# KiCad board ZX Max 128 Issue 3A PCB.kicad_pcb (continued)
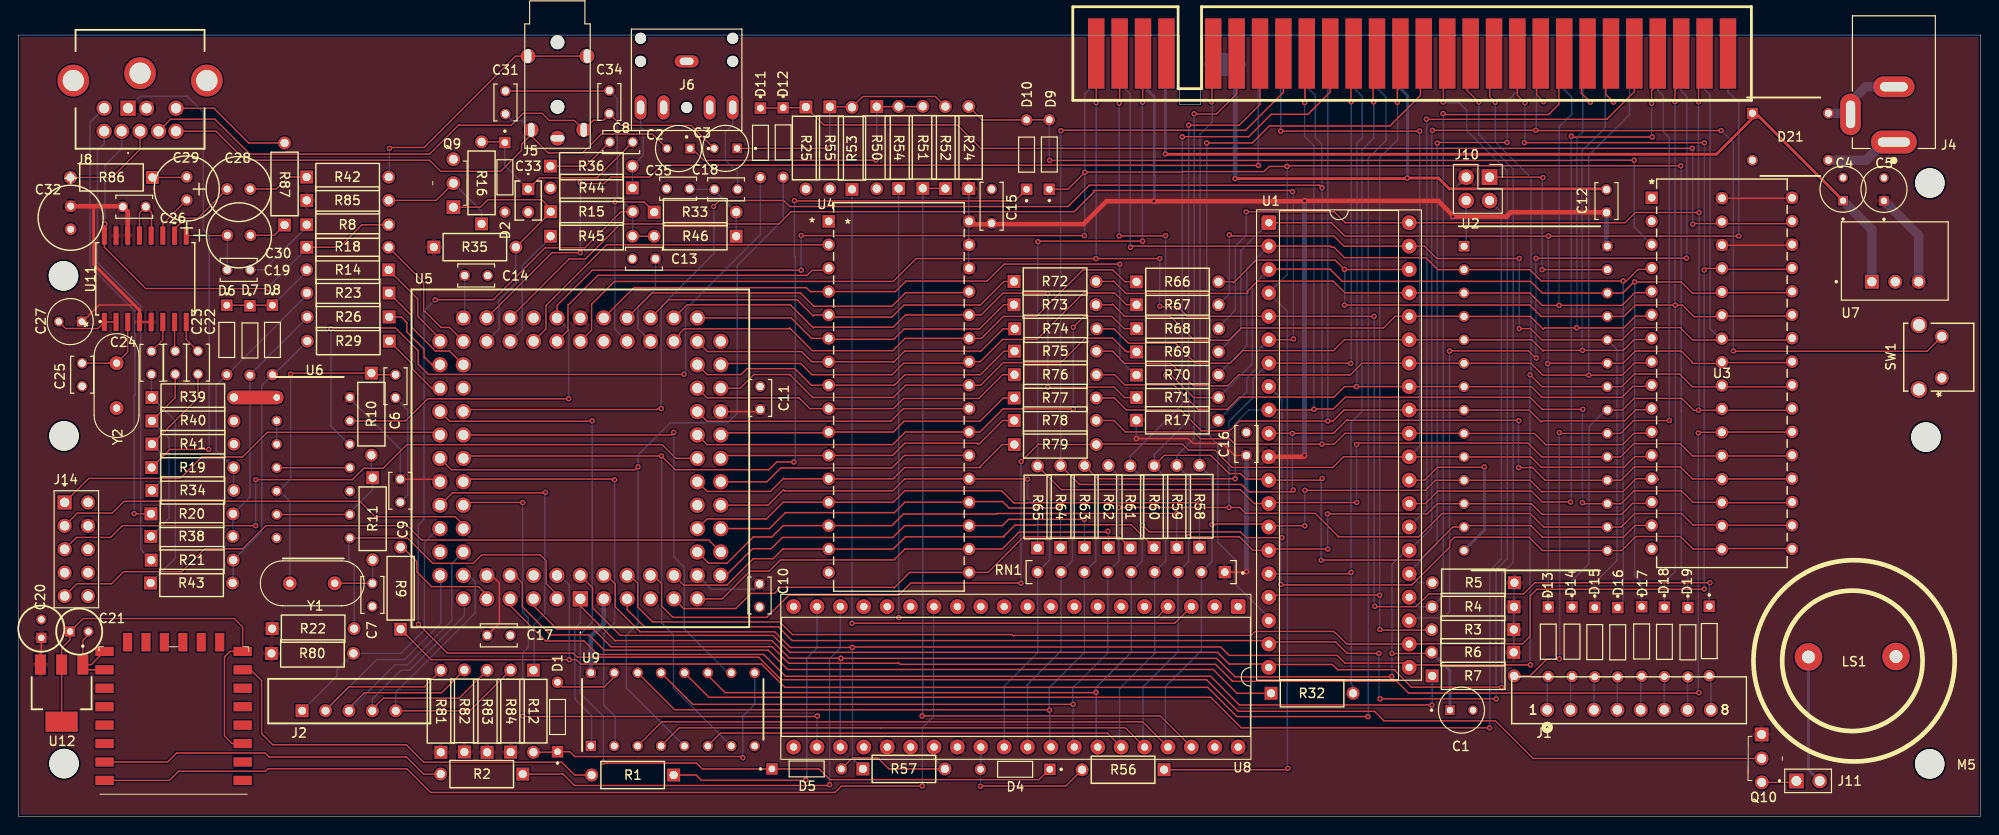
[diagram p0: board, top side]
## Routing (per net, layer and track width the routed paths; a pad name or vN(x,y) marks a point on that pad's centre or on a via; arc(x,y) is an arc through that point) (continued)
IN4: length 110.6
  Top w0.15: v1(98.13,3.32) 98.12,3.31 89.35,3.31 88.66,2.62 44.74,2.62 42.17,5.19 27.09,5.19 26.82,4.92 17.39,4.92 16.39,3.92 U15.22
  Bottom w0.15: U8.14 99.34,22.74 99.34,10.88 98.13,9.67 v1(98.13,3.32)
INT: length 79.8
  Top w0.15: v1(147.12,77.55) 147.06,77.61 147.06,78.98 147.48,79.4 J3.B13 ; U1.16 144.52,26.34 v1(144.68,26.5)
  Bottom w0.15: R32.2 144.88,14.18 144.68,14.38 v1(144.68,26.5) 144.66,26.52 144.66,42.69 144.67,42.7 144.67,42.77 145.89,43.99 145.85,44.03 145.85,72.4 145.89,72.4 147.16,73.67 147.12,73.71 v1(147.12,77.55)
INTx: length 89.4
  Top w0.15: U5.80 53.87,26.17 54.7,25.34 54.7,22.77 57.75,19.72 61.93,19.72 63.59,18.06 81.39,18.06 83.49,15.96 129.7,15.96 132.28,13.38 R32.1
IOREQ: length 12.6
  Top w0.15: R9.2 41.68,29.23 43.25,27.66 43.25,26.55 44.85,24.95 49.95,24.95 50.84,24.06 U5.77
IORQ: length 178.3
  Top w0.15: J3.B17 157.19,82.35 157.19,78.87 v1(158.53,77.53) ; U5.2 62.33,24.84 62.33,22.67 65.34,19.66 81.92,19.66 83.76,17.82 130.16,17.82 131.43,16.55 135.37,16.55 U1.20 136.05,16.5 142.65,16.5 143.21,15.94 149.44,15.94 149.44,15.83 151.23,14.04 160.95,14.04 v1(160.99,14)
  Bottom w0.15: v1(158.53,77.53) 158.53,74 162.26,70.27 162.26,27.6 161.14,26.48 161.02,26.48 161.02,14.03 v1(160.99,14)
IORQULA: length 192
  Top w0.15: v1(146.5,10.85) 132.27,10.85 129.1,14.02 83.2,14.02 80.67,16.55 61.01,16.55 60.54,17.02 v1(59.8,17.02) 44.8,17.02 R9.1
  Bottom w0.15: U5.84 58.75,26.17 59.8,25.12 v1(59.8,17.02) ; J3.A13 147.48,79.07 148.46,78.09 148.46,73.38 146.54,71.46 146.54,10.89 v1(146.5,10.85)
KB0: length 29.1
  Bottom w0.15: J2.1 34.58,15.26 34.58,15.92 R80.2 41.52,17.71 44.07,20.26 44.07,29.72 45.6,31.25 U5.70
KB1: length 36.1
  Top w0.15: R81.2 44.14,14.16 44.14,14.08 35.86,14.08 33.34,11.56 J2.2
  Bottom w0.15: U5.74 45.85,26.08 45.85,20.97 41.92,17.04 38.9,17.04 J2.2
KB2: length 37.7
  Top w0.15: J2.3 35.88,11.77 37.55,13.44 45.93,13.44 R82.2
  Bottom w0.15: U5.73 47.05,27.46 47.05,21.28 42.25,16.48 40.88,16.48 J2.3
KB3: length 31.3
  Top w0.15: J2.4 38.42,11.65 39.62,12.85 47.86,12.85 R83.2
  Bottom w0.15: U5.75 48.41,23.52 48.41,21.81 42.48,15.88 41.54,15.88 38.42,12.76 J2.4
KB4: length 33.4
  Top w0.15: R84.2 49.02,11.48 J2.5
  Bottom w0.15: J2.5 40.96,13.48 49.59,22.11 49.59,25.45 48.87,26.17 U5.76
Luma: length 10.8
  Top w0.15: J8.5 13.21,72.41 10.15,69.35 R86.2
M1: length 73
  Top w0.15: J3.B24 175.42,78.66 172.42,75.66 152.86,75.66 v1(152.84,75.68)
  Bottom w0.15: U1.27 152.88,33.33 152.88,75.64 v1(152.84,75.68)
MIC: length 20.4
  Top w0.15: R33.1 67.92,66.69 v1(64.75,66.69)
  Bottom w0.15: U5.40 64.75,52.9 v1(64.75,66.69)
MIDI: length 46
  Top w0.15: R1.2 60.37,4.51 58.98,5.9 43.99,5.9 42.1,7.79 27.61,7.79 26.4,9 26.4,14.75 25.23,15.92 U15.7
MREQ: length 176.1
  Top w0.15: U5.5 66.08,22.46 67.95,20.59 82.49,20.59 83.98,19.1 135.36,19.1 U1.19 135.96,18.95 142.99,18.95 144.23,17.71 v1(147.69,17.71) ; 155.6,81.53 154.68,80.61 v1(154.68,77.53) ; v1(160.43,12.76) 160.41,12.78 v1(147.81,12.78)
  Bottom w0.15: v1(160.43,12.76) 160.4,12.79 160.4,26.76 161.62,27.98 161.62,70.05 157.24,74.43 157.21,74.43 157.21,76.65 156.4,77.46 154.93,77.46 154.86,77.53 v1(154.68,77.53) ; v1(147.69,17.71) 147.69,12.9 v1(147.81,12.78)
nA14: length 79.6
  Top w0.15: v1(33.91,52.95) 33.98,53.02 40.92,53.02 43.4,50.54 43.4,49.07 44.49,47.98 72.23,47.98 v1(72.25,48)
  Bottom w0.15: v1(33.91,52.95) 33.94,52.92 33.94,42.34 35.88,40.4 U6.12 ; D11.A 80.55,63.17 72.42,55.04 72.42,48.17 v1(72.25,48)
NMI: length 81.3
  Top w0.15: v1(147.77,24.02) 147.75,24.04 135.97,24.04 U1.17 ; J3.B14 150.02,79.19 149.69,78.86 v1(149.69,77.51) ; R3.2 153.38,20.24 147.86,20.24 v1(147.79,20.31)
  Bottom w0.15: v1(147.79,20.31) 147.77,20.33 v1(147.77,24.02) 147.77,71.5 149.71,73.44 149.71,77.49 v1(149.69,77.51)
OUT3: length 34
  Top w0.15: v1(85.47,3.96) 85.45,3.94 74.13,3.94 73.56,4.51 R1.1
  Bottom w0.15: v1(85.47,3.96) 85.58,4.07 85.58,17.17 86.78,18.37 86.69,18.46 U8.19
OUT4: length 53.7
  Top w0.15: R2.1 59.07,4.61 59.1,4.64 60.37,3.37 87.96,3.37 v1(88.05,3.46)
  Bottom w0.15: v1(88.05,3.46) 88.05,17.13 89.23,18.31 U8.18
PSG: length 105.3
  Top w0.15: D4.K 111.92,5.13 110.8,4.01 88.08,4.01 86.92,5.17 D5.K 74.25,5.17 73.61,5.81 63.87,5.81 63.76,5.92 v1(63.5,5.92) ; v1(62.28,42.95) 62.23,42.9 46.81,42.9 U5.60
  Bottom w0.15: v1(62.28,42.95) 62.28,21.08 60.99,19.79 60.99,13.39 63.5,10.88 v1(63.5,5.92)
R: length 24.8
  Bottom w0.15: R43.1 17.03,28.03 17.03,42.93 R39.1 14.44,45.52 C24.1
RAM: length 169.8
  Top w0.15: v1(182.36,41.63) 182.43,41.7 U3.22 184.94,41.72 192.51,41.72 U3.22 ; v1(182.43,13.45) 182.38,13.4 150.91,13.4 149.63,14.67 131.79,14.67 131.78,14.69 131.78,14.7 129.96,16.52 95.71,16.52 95.52,16.71 95.44,16.63 83.62,16.63 81.82,18.43 64.33,18.43 62.52,20.24 62.52,20.34 58.47,20.34 55.92,22.89 U5.81
  Bottom w0.15: v1(182.36,41.63) 182.36,13.52 v1(182.43,13.45)
RD: length 218.6
  Top w0.15: 192.54,46.68 192.49,46.63 181.73,46.63 180.34,48.02 175.41,48.02 174.04,46.65 U2.22 165.38,46.65 v1(164.09,47.94) ; J3.B18 160.18,79.55 159.71,79.08 159.71,78.11 v1(160.31,77.51) ; v1(164.14,16.46) 151.25,16.46 U1.21 150.51,16.65 144.01,16.65 143.17,17.49 131.43,17.49 130.52,18.4 90.59,18.4 v1(90.54,18.35) 83.8,18.35 82.1,20.05 67.48,20.05 64.8,22.73 64.8,25.22 63.85,26.17 U5.4
  Bottom w0.15: v1(164.14,16.46) 164.09,16.51 v1(164.09,47.94) 164.19,48.04 164.19,69.33 160.31,73.21 v1(160.31,77.51) ; R57.1 90.54,6.3 v1(90.54,18.35)
red: length 7.9
  Top w0.15: U5.58 44.84,46.49 42.78,48.55 42.78,49.07 R29.1
RFSH: length 76.5
  Top w0.15: v1(177.36,73.74) 168.67,73.74 v1(168.58,73.83) ; v1(168.49,34.14) 165.42,34.14 164.24,35.32 154.08,35.32 152.72,33.96 U1.28 ; J3.B25 177.96,79.46 177.29,78.79 v1(177.29,77.39)
  Bottom w0.15: v1(168.58,73.83) 168.55,73.8 168.55,34.2 v1(168.49,34.14) ; v1(177.36,73.74) 177.29,73.81 v1(177.29,77.39)
ROM: length 109.1
  Top w0.15: 53.38,22.94 U5.79 53.38,22.89 57.21,19.06 61.39,19.06 62.86,17.59 80.9,17.59 83.27,15.22 129.43,15.22 132.54,12.11 153.41,12.11 v1(153.43,12.09)
  Bottom w0.15: v1(153.43,12.09) 153.47,12.13 R7.1
ROM0: length 148.2
  Top w0.15: v1(159.71,9.63) 132.74,9.63 129.43,12.94 74.96,12.94 U9.12
  Bottom w0.15: J10.2 160.98,65.57 160.98,27.96 159.71,26.69 v1(159.71,9.63)
ROMCS: length 83.2
  Top w0.15: v1(167.28,17.11) 165.94,17.11 164.1,15.27 R7.2 ; v1(167.27,41.68) 167.38,41.57 U2.20 173.92,41.57 175.32,42.97 179.21,42.97 v1(179.23,42.99)
  Bottom w0.15: v1(167.27,41.68) 167.27,30.85 167.31,30.81 167.31,17.14 v1(167.28,17.11) ; J3.A25 177.96,78.82 178.56,78.22 178.56,74.33 179.2,73.69 179.2,43.02 v1(179.23,42.99)
RST: length 279.2
  Top w0.15: v1(149.08,15.2) 149.04,15.16 132.07,15.16 130.06,17.17 v1(89.29,17.17) 89.27,17.19 83.69,17.19 81.78,19.1 64.82,19.1 64.78,19.06 61,22.84 U5.1 ; v1(153.49,74.46) 153.5,74.47 v1(164.71,74.47) 164.74,74.44 v1(184.84,74.44) ; v1(149.1,17.71) 149.11,17.7 153.29,17.7 R6.2 ; v1(186.16,50.53) 186.2,50.49 207.19,50.49 SW1.2
  Bottom w0.15: v1(186.16,50.53) 186.16,73.15 184.91,74.4 184.88,74.4 v1(184.84,74.44) ; v1(89.29,17.17) 89.23,17.11 U8.23 ; U5.1 61,21.02 60.39,20.41 60.39,17.14 60.41,17.12 60.41,12.75 62.22,10.94 62.22,7.74 U9.1 ; v1(164.71,74.47) 164.78,74.54 164.78,82.32 J3.A20 ; v1(153.49,74.46) 153.42,74.39 153.42,31.33 U1.26 150.63,28.88 149.1,27.35 v1(149.1,17.71) 149.1,15.22 v1(149.08,15.2)
  Bottom w0.3: R6.2 155.4,15.84 C1.1
SPK: length 13.2
  Bottom w0.15: U5.50 54.69,52.88 54.69,59.74 57.77,62.82 R45.1
sync: length 14.2
  Top w0.15: R18.2 43.99,57.97 43.99,54.79 44.16,54.79 45.87,53.08 46.79,53.08 U5.55
TCK1: length 44
  Top w0.15: J14.01 7.63,36.7 17.59,36.7 19.92,39.03 24.34,39.03 27,41.69 45.48,41.69 U5.62
TDI1: length 75.6
  Top w0.15: U5.14 74.94,30.01 43.78,30.01 42.22,31.57 26.85,31.57 24.34,29.06 20.23,29.06 17.74,26.57 11.41,26.57 10.1,25.26 6.35,25.26 J14.09
TDO1: length 45.9
  Top w0.15: J14.03 6.4,32.93 10.18,32.93 11.46,34.21 37.08,34.21 38.75,32.54 47.43,32.54 48.3,31.67 U5.71
TMS1: length 76.9
  Top w0.15: v1(25.76,31.57) 11.29,31.57 10.01,30.29 6.3,30.29 J14.05 ; v1(25.76,36.56) 36.25,36.56 37.49,37.8 39.59,37.8 42.15,40.36 69.88,40.36 71.37,38.87 U5.23
  Bottom w0.15: v1(25.76,31.57) v1(25.76,36.56)
UA14: length 87.2
  Top w0.15: v1(175.4,71.22) 169.02,71.22 169.04,71.2 111.96,71.2 v1(111.94,71.22) ; R24.2 104.61,75.6 D10.A 109.45,75.61 D9.A
  Bottom w0.15: D9.A 111.91,71.25 v1(111.94,71.22) ; U3.3 175.4,63.97 v1(175.4,71.22)
UA15: length 123.7
  Top w0.15: 192.44,64.34 192.54,64.34 192.62,64.42 ; 192.16,64.23 U3.31 192.27,64.34 185.14,64.34 U3.31 ; v1(181.75,64.28) 181.82,64.35 184.71,64.35 U3.31 ; D11.K 82.98,76.88 D12.K 85.41,76.92 R25.1 87.45,75.04 102,75.04 102,74.96 104.49,72.47 104.53,72.51 v1(181.7,72.51) ; U3.31 185.25,64.23
  Bottom w0.15: v1(181.7,72.51) 181.75,72.46 v1(181.75,64.28)
VA0: length 37.1
  Top w0.15: U5.21 74.75,35.28 81.64,35.28 83.07,36.71 83.13,36.65 U4.12 94.96,36.65 96.18,37.87 104.41,37.87 104.41,37.98 106.82,40.39 106.84,40.37 R79.1
VA1: length 33.7
  Top w0.15: U5.22 76.55,39.18 87.95,39.18 U4.11 94.89,39.19 96.22,40.52 104.02,40.52 104.13,40.41 104.27,40.41 106.84,42.98 R78.1
VA2: length 33.5
  Top w0.15: R77.1 106.9,45.42 104.38,42.9 96.14,42.9 94.97,41.73 U4.10 87.88,41.65 76.48,41.65 U5.24
VA3: length 36.9
  Top w0.15: R76.1 106.84,47.95 104.26,45.37 96.08,45.37 94.98,44.27 U4.9 85.91,44.27 84.73,45.45 84.72,45.44 74.75,45.44 U5.29
VA4: length 37.4
  Top w0.15: U5.31 74.77,47.96 78.44,47.96 79.09,48.61 84.27,48.61 86.07,46.81 U4.8 95.09,46.81 96.23,47.95 104.43,47.95 106.98,50.5 R75.1
VA5: length 36.9
  Top w0.15: R74.1 106.9,52.93 104.48,50.51 96.21,50.51 94.98,49.28 94.91,49.35 U4.7 86.12,49.35 85.01,50.46 74.81,50.46 U5.34
VA6: length 36.9
  Top w0.15: U5.33 83.89,54.11 86.11,51.89 U4.6 88.06,51.79 95.02,51.79 96.14,52.91 104.33,52.91 106.96,55.54 R73.1
VA7: length 42.8
  Top w0.15: U5.37 70.6,56.09 84.53,56.09 86.29,54.33 86.39,54.43 U4.5 88.19,54.2 94.81,54.2 96.12,55.51 104.37,55.51 104.39,55.49 106.97,58.07 R72.1
VA8: length 56.2
  Top w0.15: R66.1 120.11,58.03 118.81,59.33 115.57,59.33 110.52,54.28 106.93,54.28 104.54,51.89 U4.27 96.26,51.89 94.92,50.55 86.18,50.55 83.71,53.02 83.62,52.93 72.28,52.93 71.77,52.42 71.77,52.18 U5.36
VA9: length 49.9
  Top w0.15: R67.1 120.28,55.54 118.96,56.86 118.92,56.82 115.61,56.82 110.56,51.77 106.83,51.77 104.41,49.35 U4.26 103.05,49.2 96.09,49.2 94.84,47.95 86.14,47.95 84.92,49.17 76.38,49.17 U5.30
VA10: length 59.6
  Top w0.15: v1(114.51,53.1) 115.69,54.28 118.71,54.28 120.05,52.94 R68.1 ; U5.25 74.75,40.36 94.91,40.36 96.28,41.73 U4.23 104.38,41.73 106.89,44.24 114.49,44.24 v1(114.51,44.26)
  Bottom w0.15: v1(114.51,44.26) v1(114.51,53.1)
VA11: length 50.1
  Top w0.15: R69.1 120.35,50.43 120.25,50.53 120.1,50.53 120.1,50.61 118.79,51.92 115.82,51.92 113.16,49.26 106.91,49.26 104.46,46.81 U4.25 96.31,46.81 94.98,45.48 86.26,45.48 86.24,45.46 83.75,47.95 83.75,47.97 79.85,47.97 78.37,46.49 U5.28
VA12: length 71.7
  Top w0.15: v1(119.57,59.93) 119.55,59.95 106.99,59.95 105.15,58.11 96.34,58.11 95.2,56.97 U4.4 85.96,56.97 85.53,57.4 66.83,57.4 U5.41
  Bottom w0.15: R70.1 121.19,47.92 119.57,49.54 v1(119.57,59.93)
VA13: length 64
  Top w0.15: v1(111.74,56.75) 111.69,56.8 106.87,56.8 104.5,54.43 U4.28 96.29,54.43 94.96,53.1 86.33,53.1 86.27,53.04 83.78,55.53 72.58,55.53 U5.35 ; v1(111.74,46.6) 118.94,46.6 120.07,45.47 R71.1
  Bottom w0.15: v1(111.74,56.75) v1(111.74,46.6)
VA14: length 34.4
  Top w0.15: U4.3 87.73,59.28 86.17,59.28 85.62,58.73 62.91,58.73 59.73,55.55 59.66,55.55 59.66,52.77 U5.46
VA15: length 37.9
  Top w0.15: U5.48 57.26,52.91 57.26,55.45 63.86,62.05 U4.2
VB: length 51.9
  Top w0.15: v1(71.13,41.69) 71.13,41.64 70.9,41.41 U5.63
  Bottom w0.15: v1(71.13,41.69) 71.13,28.2 72.27,27.06 72.27,20.36 76.84,15.79 77.19,15.79 U9.10
VCS: length 28.1
  Top w0.15: U5.20 81.25,36.33 82.75,37.83 94.82,37.83 96.18,39.19 U4.22
VD0: length 61.7
  Top w0.15: v1(128.23,34.06) 109.56,34.06 109.52,34.03 108.06,34.03 106.73,35.36 96.21,35.36 94.96,34.11 U4.13 83,34.11 81.19,32.3 74.75,32.3 U5.17
  Bottom w0.15: v1(128.23,34.06) 128.2,34.04 R58.1
VD1: length 58.5
  Top w0.15: U5.15 74.91,27.5 76.93,27.5 79.77,30.34 81.79,30.34 83.02,31.57 U4.14 94.81,31.57 96.07,32.83 106.21,32.83 106.27,32.89 v1(125.76,32.89)
  Bottom w0.15: v1(125.76,32.89) 125.76,32.89 R59.1
VD2: length 56.4
  Top w0.15: U5.10 72.21,25.12 76.92,25.12 79.78,27.98 81.93,27.98 83.02,29.07 83.06,29.03 U4.15 94.95,29.03 96.3,30.38 96.32,30.36 106.99,30.36 106.99,30.44 108.18,31.63 110.3,31.63 110.34,31.67 120.8,31.67 R60.1
VD3: length 53.7
  Top w0.15: R61.1 119.51,30.34 109.1,30.34 105.25,26.49 U4.17 96.74,26.49 95.07,24.82 95.01,24.88 82.74,24.88 82.08,24.22 79.52,24.22 77.88,22.58 72.21,22.58 U5.9
VD4: length 49.4
  Top w0.15: U5.11 76.4,23.63 79.4,26.63 81.49,26.63 82.71,27.85 95.06,27.85 96.24,29.03 U4.18 106.79,29.03 108.63,30.87 118.18,30.87 v1(118.27,30.96)
  Bottom w0.15: v1(118.27,30.96) 118.33,30.9 R62.1
VD5: length 45.1
  Top w0.15: v1(115.71,32.25) 107.49,32.25 106.81,31.57 U4.19 96.2,31.57 94.92,30.29 82.94,30.29 81.72,29.07 79.7,29.07 76.8,26.17 U5.12
  Bottom w0.15: R63.1 115.73,31.91 115.71,31.93 v1(115.71,32.25)
VD6: length 42.7
  Top w0.15: v1(113.09,33.49) 107.53,33.49 106.84,34.18 103.27,34.18 U4.20 96.22,34.11 95.09,32.98 83.26,32.98 81.53,31.25 U5.16
  Bottom w0.15: v1(113.09,33.49) 113.13,33.45 R64.1
VD7: length 42.5
  Top w0.15: U5.18 81.37,33.79 83.05,35.47 83.18,35.34 94.9,35.34 96.21,36.65 U4.21 109.51,36.65 v1(109.55,36.61)
  Bottom w0.15: R65.1 110.64,33.41 109.55,34.5 v1(109.55,36.61)
VRD: length 30.5
  Top w0.15: U5.27 74.75,42.9 94.7,42.9 96.07,44.27 U4.24
VWR: length 39.5
  Top w0.15: U4.29 103.08,56.85 96.31,56.85 94.84,55.38 86.33,55.38 84.89,56.82 68.79,56.82 U5.39
WAIT: length 75.7
  Top w0.15: J3.B21 167.22,82.22 167.22,77.3 166.1,76.18 154.77,76.18 v1(154.66,76.29)
  Bottom w0.15: U1.24 152.02,22.76 R4.2 154.66,23.97 v1(154.66,76.29)
WR: length 214.6
  Top w0.15: 192.54,59.38 184.97,59.38 184.92,59.33 ; v1(182.99,59.32) 183.15,59.48 U3.29 ; v1(163.47,73.13) 183,73.13 v1(183.02,73.11) ; U5.6 66.38,26.17 67.23,25.32 67.23,22.75 68.86,21.12 82.66,21.12 84.03,19.75 107.87,19.75 108.02,19.6 108.08,19.66 133.83,19.66 134.26,20.09 142.78,20.09 142.93,19.94 142.98,19.94 144.2,18.72 U1.22 151,18.75 163.29,18.75 164.12,19.58 164.12,23.96 164.82,24.66 182.96,24.66 v1(183,24.7) ; J3.B19 162.72,78.27 v1(163.54,77.45)
  Bottom w0.15: v1(183.02,73.11) 183.02,59.35 v1(182.99,59.32) 182.99,24.71 v1(183,24.7) ; v1(163.54,77.45) 163.54,73.2 v1(163.47,73.13)
Net-(C6-Pad1): length 35.7
  Top w0.15: v1(29.54,48.01) 29.65,48.12 R10.1 38.48,47.95 C6.1
  Bottom w0.15: v1(29.54,48.01) 29.54,36.62 28.24,35.32 U6.5 28.35,35.32 29.46,34.21 Y1.1
Net-(C7-Pad1): length 6.7
  Top w0.15: Y1.2 38.41,25.31 C7.1
  Bottom w0.15: C7.1 38.46,25.34 R11.2
Net-(C8--): length 7.5
  Top w0.15: R36.1 61.58,70.58 C8.2
Net-(C18-+): length 8.8
  Bottom w0.15: R46.1 77.92,62.98 R33.2 75.56,67.94 C18.1 72.93,68.06 C35.1
Net-(C18--): length 9.8
  Bottom w0.15: C18.2 78.06,69.91 76.74,71.23 76.74,74.28 77.54,75.08 J6.5
Net-(C19-+): length 8.2
  Top w0.15: U11.9 22.66,63.04 C30.1
  Bottom w0.15: C19.1 22.69,59.36 C30.1
Net-(C19--): length 8.3
  Bottom w0.15: C19.2 26.61,59.33 30.84,63.56 30.84,63.77 R8.1
Net-(C22--): length 3.7
  Top w0.15: U11.8 18.22,51.78 C22.2
Net-(C23--): length 3.2
  Top w0.15: C23.2 16.95,50.58 U11.7
Net-(C24--): length 3.7
  Top w0.15: U11.6 15.68,51.72 C24.2
Net-(C25-+): length 8.7
  Top w0.15: U11.3 11.87,50.42 Y2.1 9.86,49.21 9.85,49.2 C25.1
Net-(C28-Pad2): length 6.7
  Top w0.15: R42.1 29.29,69.4 27.99,68.1 C28.2
Net-(C29-Pad2): length 3.7
  Top w0.15: C29.2 18.22,69.35 R86.1
Net-(C30-Pad2): length 4.2
  Top w0.15: R87.1 27.77,63.08 25.19,63.08 C30.2
Net-(C31-+): length 243.8
  Top w0.15: v1(43.43,20.87) 46.56,17.74 60.24,17.74 60.69,17.29 80.35,17.29 82.79,14.85 128.97,14.85 132.4,11.42 147.21,11.42 148.2,10.43 148.2,10.39 160.34,10.39 164.42,6.31 Q10.2 ; R45.2 R46.2 ; v1(45.26,56.08) 51.53,56.08 57.21,61.76 57.25,61.71 61.48,61.71 65.41,65.64 R44.2 ; C34.1 64.1,78.74 C31.1
  Bottom w0.15: v1(45.26,56.08) 44.03,54.85 44.03,32.28 43.4,31.65 43.4,20.9 v1(43.43,20.87) ; C34.1 64.99,77.94 64.99,67.34 R44.2 66.69,63 R45.2
Net-(C33-+): length 22.2
  Top w0.15: R16.2 52.73,73.22 D2.K ; C8.1 62.88,69.38 62.88,69.31 62.88,69.31 56.56,69.31 C33.1
  Bottom w0.15: C33.1 52.81,70.63 D2.K
Net-(D6-PadA): length 26.3
  Bottom w0.15: R23.2 31.32,56.61 22.66,47.95 D6.A 21.46,46.8 21.46,39.77 R19.2 23.36,35.42 R34.2
Net-(D6-PadK): length 10.4
  Top w0.15: D8.K D6.K
  Bottom w0.15: D8.K 27.62,55.49 31.29,59.16 R14.2
Net-(D7-PadA): length 27.2
  Bottom w0.15: R38.2 23.29,30.42 R20.2 25.13,34.69 D7.A 25.13,47.94 31.35,54.16 R26.2
Net-(D8-PadA): length 29.7
  Bottom w0.15: R29.2 27.71,47.95 D8.A 26.42,46.8 26.42,30.93 R21.2 23.32,25.42 R43.2
Net-(D13-PadA): length 3.7
  Bottom w0.15: J1.1 165.95,15.09 D13.A
Net-(D14-PadA): length 3.7
  Bottom w0.15: J1.2 168.49,15.05 D14.A
Net-(D15-PadA): length 3.6
  Bottom w0.15: D15.A 171.03,15.07 J1.3
Net-(D16-PadA): length 3.6
  Bottom w0.15: J1.4 173.57,15.11 D16.A
Net-(D17-PadA): length 3.7
  Bottom w0.15: D17.A 176.11,15.14 J1.5
Net-(D18-PadA): length 3.6
  Bottom w0.15: J1.6 178.65,15.17 D18.A
Net-(D19-PadA): length 3.6
  Bottom w0.15: D19.A 181.19,15.11 J1.7
Net-(D20-PadA): length 3.8
  Bottom w0.15: D20.A 183.73,15.1 J1.8
Net-(D21-~_1): length 7.9
  Bottom w1: D21.3 200.57,71.22 202.54,73.19 J4.1
Net-(D21-~_2): length 9.2
  Bottom w0.15: 198.89,77.56 J4.3 198.76,76.32
  Bottom w1: J4.2 200.52,79.19 198.89,77.56 ; D21.4 198.76,76.32
Net-(J6-Pad2): length 9.3
  Bottom w0.15: R15.1 66.66,70.19 66.65,70.2 R36.2 67.81,71.74 67.81,74.51 67.54,74.78 J6.2
Net-(J8-Pad1): length 53.3
  Top w0.15: R19.1 16.42,39.84 v1(20.66,39.84)
  Bottom w0.15: J8.1 13.2,78.16 18.33,78.16 20.07,76.42 20.07,63.71 20.71,63.07 20.71,39.89 v1(20.66,39.84)
Net-(J8-Pad3): length 48.5
  Top w0.15: R20.1 12.59,32.85 v1(12.56,32.88)
  Bottom w0.15: v1(12.56,32.88) 12.56,45.66 12.66,45.76 12.66,54.83 7.77,59.72 7.77,75.33 J8.3
Net-(J8-Pad7): length 49.3
  Bottom w0.15: J8.7 9.31,73.01 8.58,72.28 8.58,60.09 13.29,55.38 13.29,28.95 R21.1
Net-(J10-Pin_1): length 22.9
  Top w0.15: v1(165.49,69.34) 165.44,69.39 J10.1 ; v1(165.4,59.35) 165.4,59.35 U2.27
  Bottom w0.15: v1(165.49,69.34) 165.4,69.25 v1(165.4,59.35)
Net-(J10-Pin_4): length 5.1
  Bottom w0.15: J10.4 157.16,62.12 U2.1
Net-(J11-Pad2): length 14
  Bottom w0.3: LS1.1 194.32,5.09 J11.2
Net-(Q9-B): length 13.5
  Top w0.15: R85.2 45.35,66.86 Q9.2
  Bottom w0.15: Q9.2 50.27,65.68 R16.1
Net-(Q10-E): length 3.8
  Top w0.15: J11.1 192.85,3.71 Q10.3
Net-(R10-Pad2): length 15.5
  Top w0.15: U6.6 U6.9
  Bottom w0.15: U6.9 35.98,33.01 38.46,35.49 R11.1 38.32,36.9 R10.2
Net-(U6-Pad2): length 2.5
  Bottom w0.15: U6.2 U6.3
Net-(U6-Pad11): length 7.9
  Top w0.15: U6.4 U6.11
Net-(U9-6Q): length 7.3
  Top w0.15: U9.15 64.68,15.16 63.59,14.07 59.03,14.07 D1.A
Net-(U9-CLK): length 32.8
  Top w0.15: R12.2 58.47,6.99 D1.K 59.87,7.04 60.39,6.52 78.51,6.52 v1(78.64,6.39)
  Bottom w0.15: v1(78.64,6.39) 78.64,10.91 79.92,12.19 U9.9
Net-(U11-COMP): length 8.2
  Top w0.15: C28.1 19.49,64.93 18.12,64.93 16.95,63.76 U11.10
Net-(U11-LUMA): length 4.9
  Top w0.15: U11.11 15.68,64.32 C29.1
Net-(U15-RXD0/RXD): length 37.8
  Top w0.15: U15.21 16.2,5.92 17.18,6.9 26.78,6.9 27.22,6.46 42.13,6.46 43.98,4.61 R2.2

## Copper pours and planes (outline as drawn; the poured copper is in the pictures)
GND on Bottom: -3.24,95.71 222.85,95.71 222.85,-8.96 -3.24,-8.96
VCC on Top: 222.85,95.71 222.85,-8.96 -3.24,-8.96 -3.24,95.71
